# Altium PCB PCB_DACard.PcbDoc (part 1 of 2)
Units mm, origin at the board's own origin, x right, y up, seen from the top; angles counter-clockwise.
Board outline 119.99 x 50 mm, 6 copper layers (Top Layer, Int1 (GND), Int2 (24V), Int3 (5V), Int4 (GND), Bottom Layer), stack 1.472 mm thick; 126 components, 124 nets, 493 pads, 263 vias.
Unrouted connection lines stored in the file: 49.
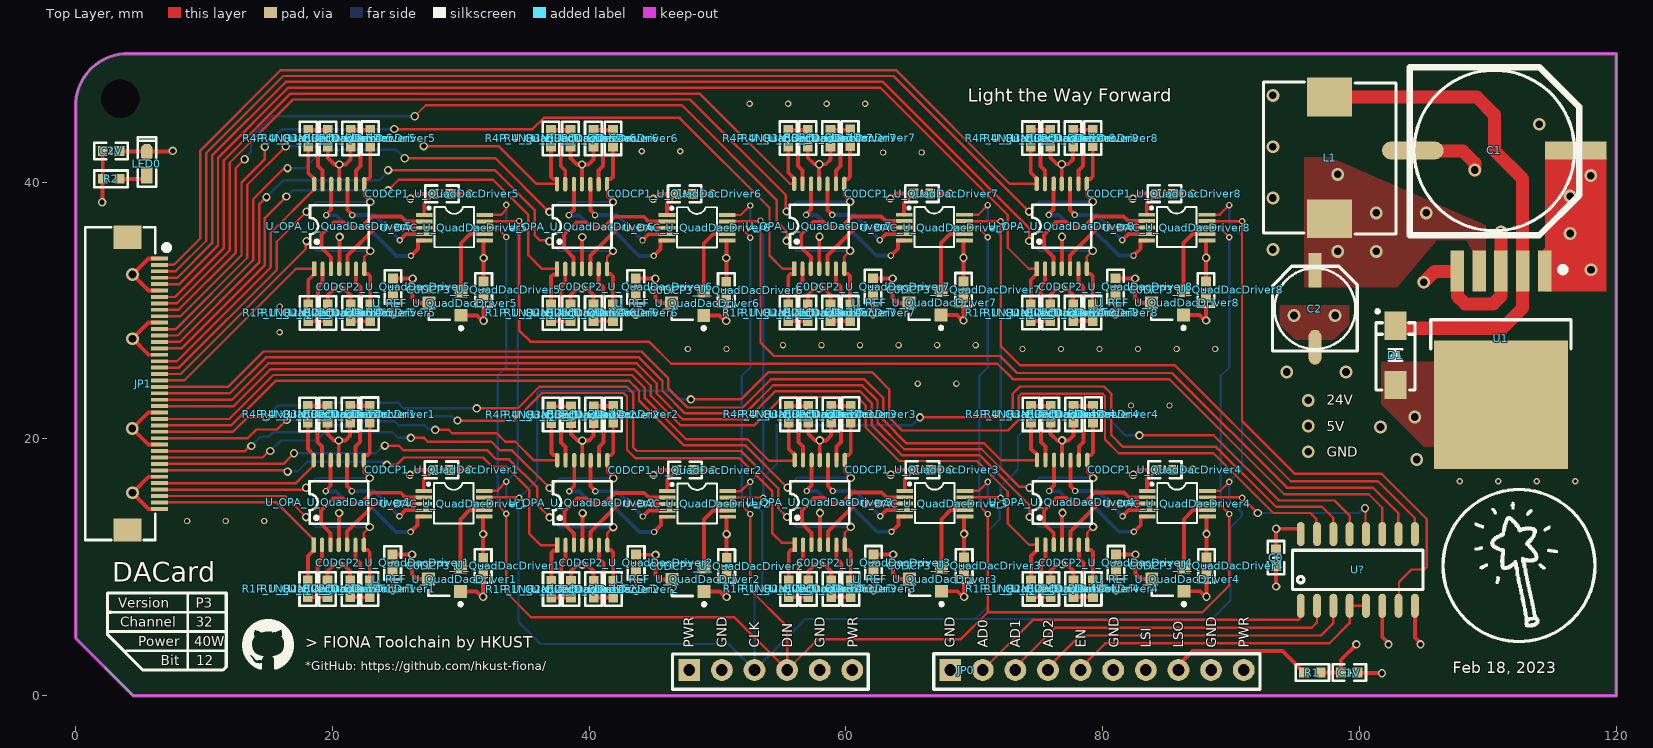
[diagram p0: Top Layer view]
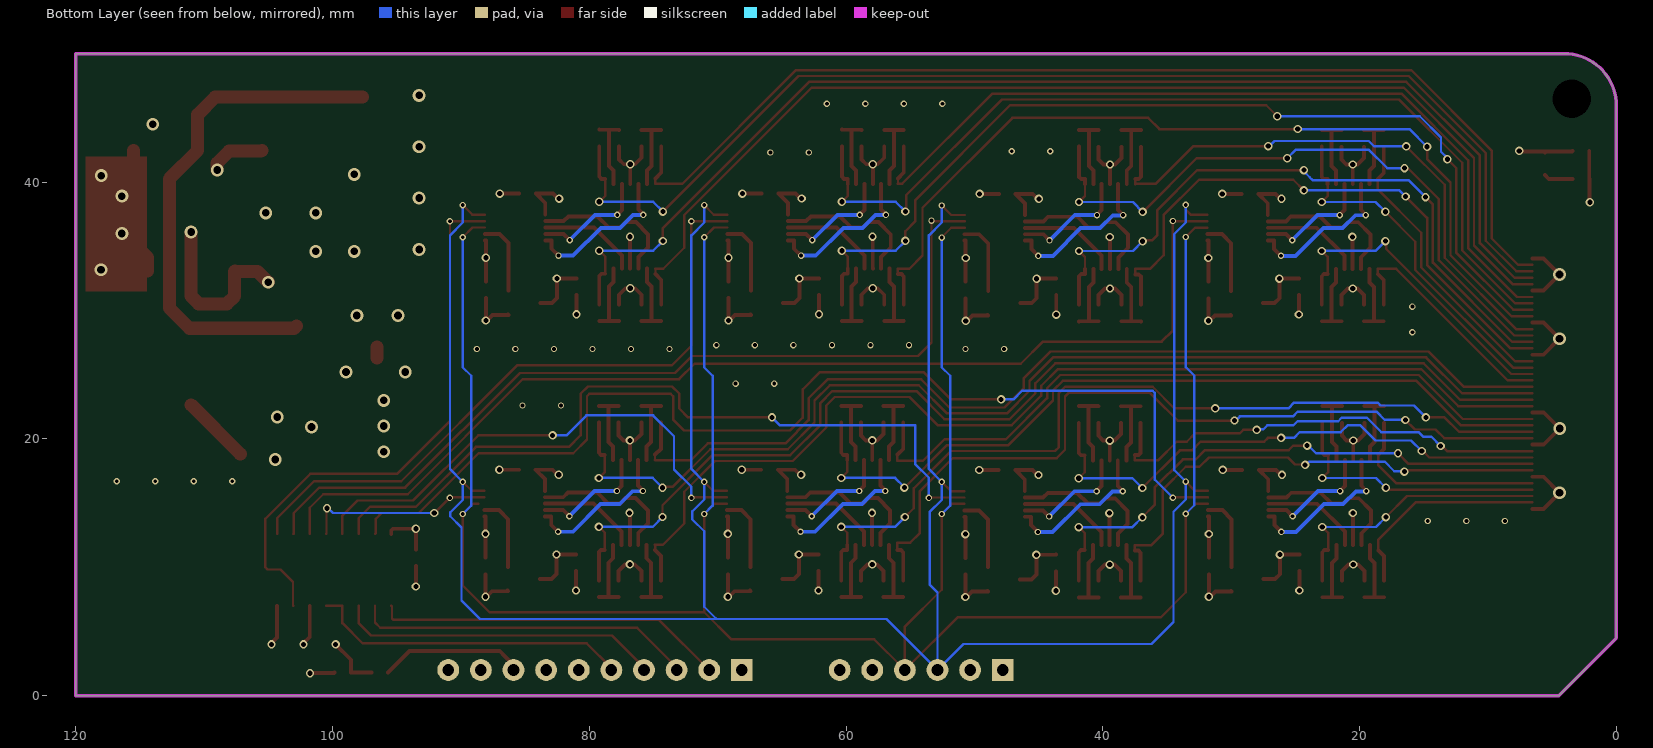
[diagram p1: Bottom Layer view, seen from below]
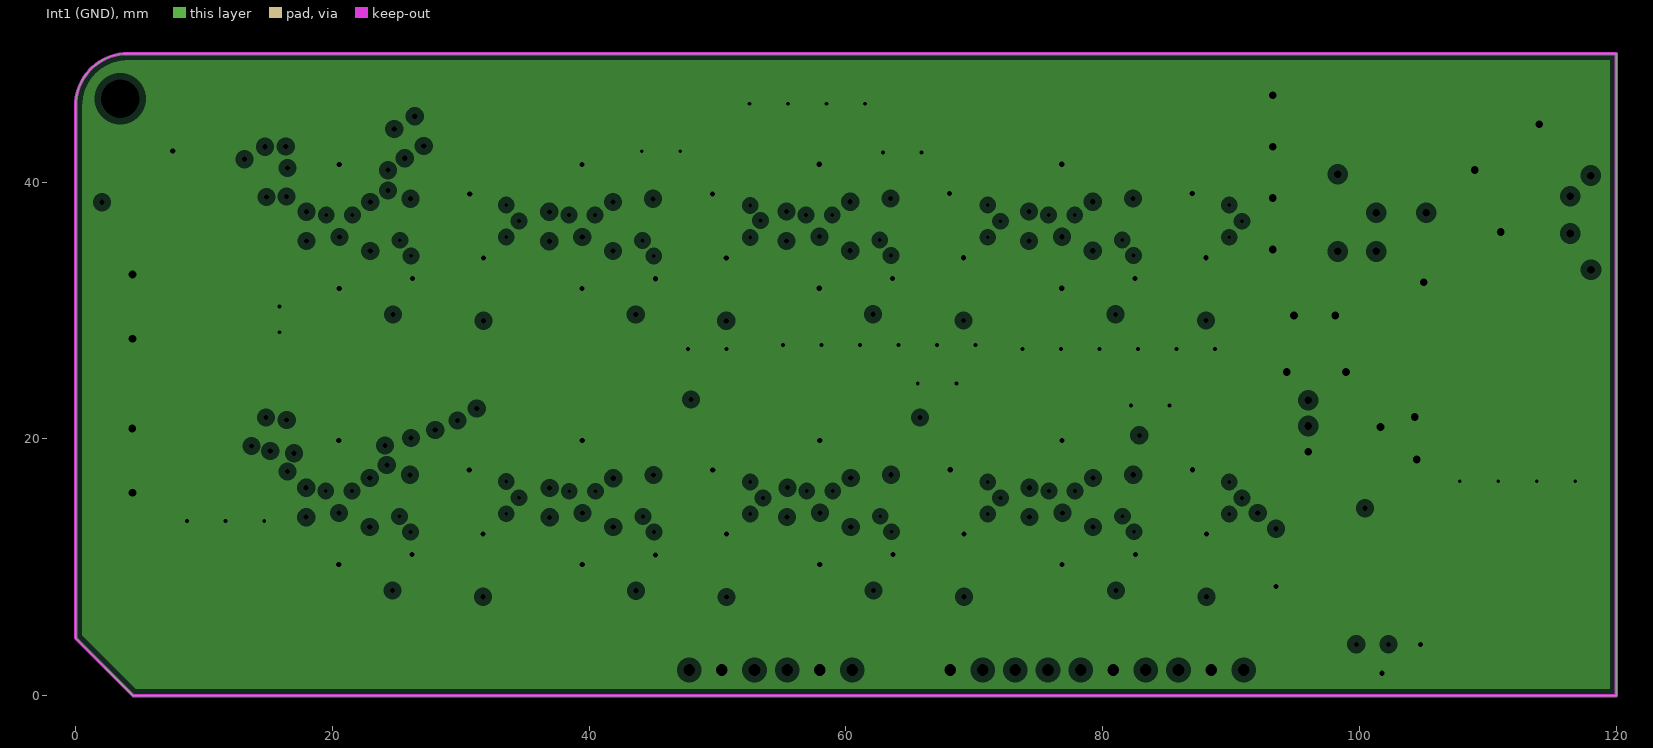
[diagram p2: Int1 (GND), clearances drawn from the general rule]
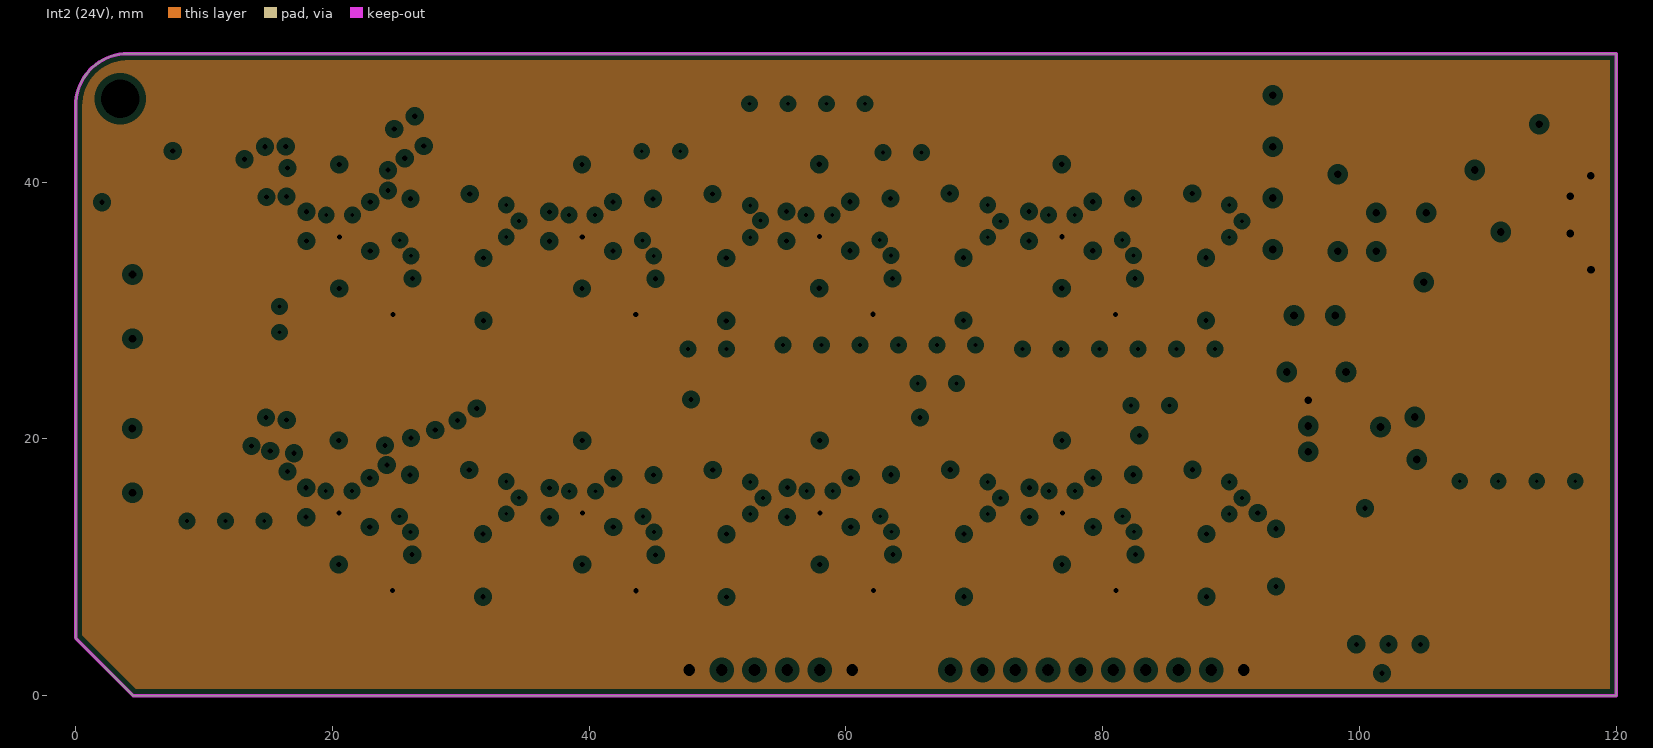
[diagram p3: Int2 (24V), clearances drawn from the general rule]
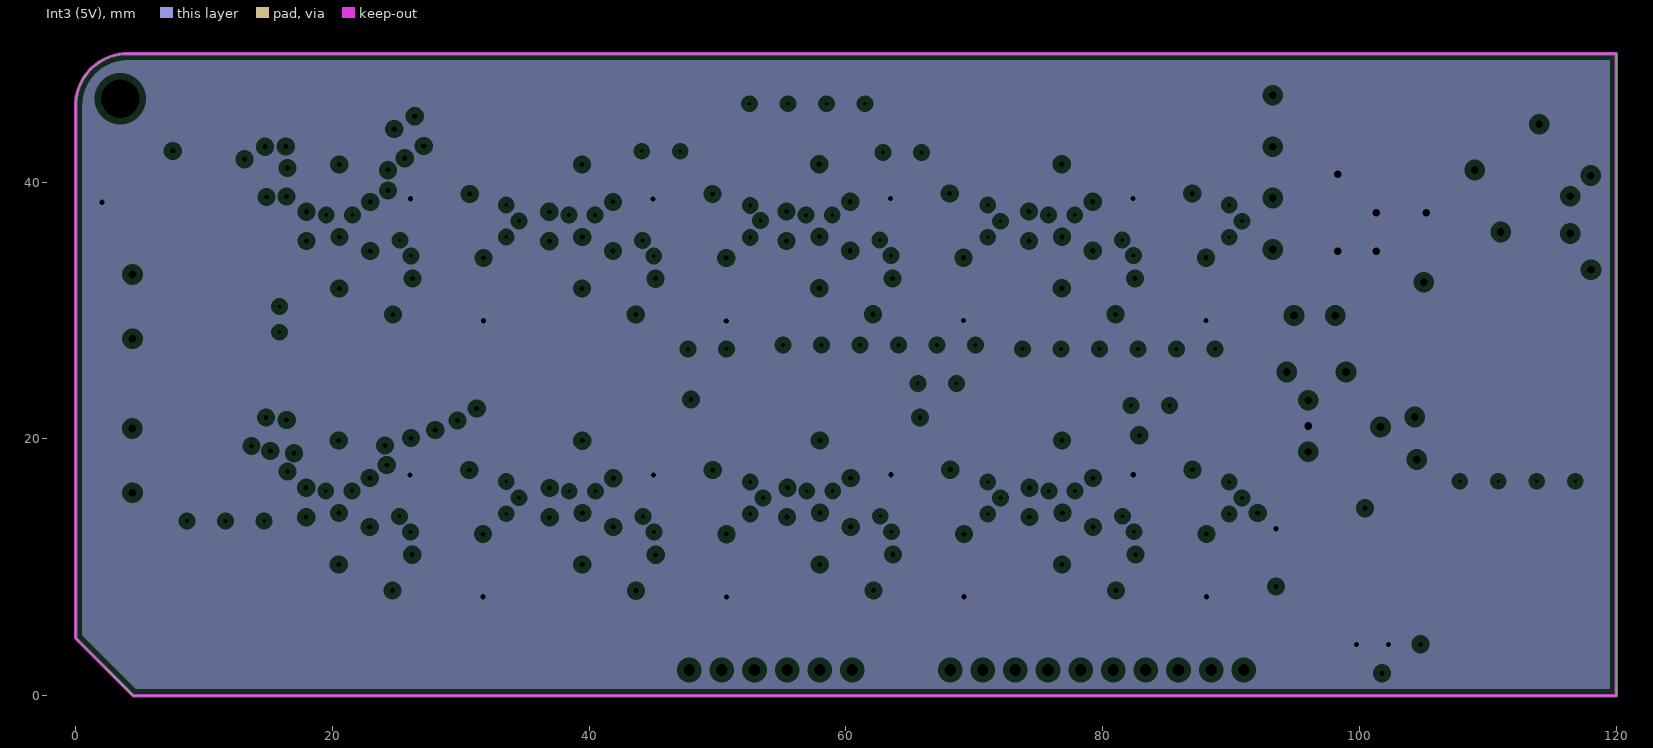
[diagram p4: Int3 (5V), clearances drawn from the general rule]
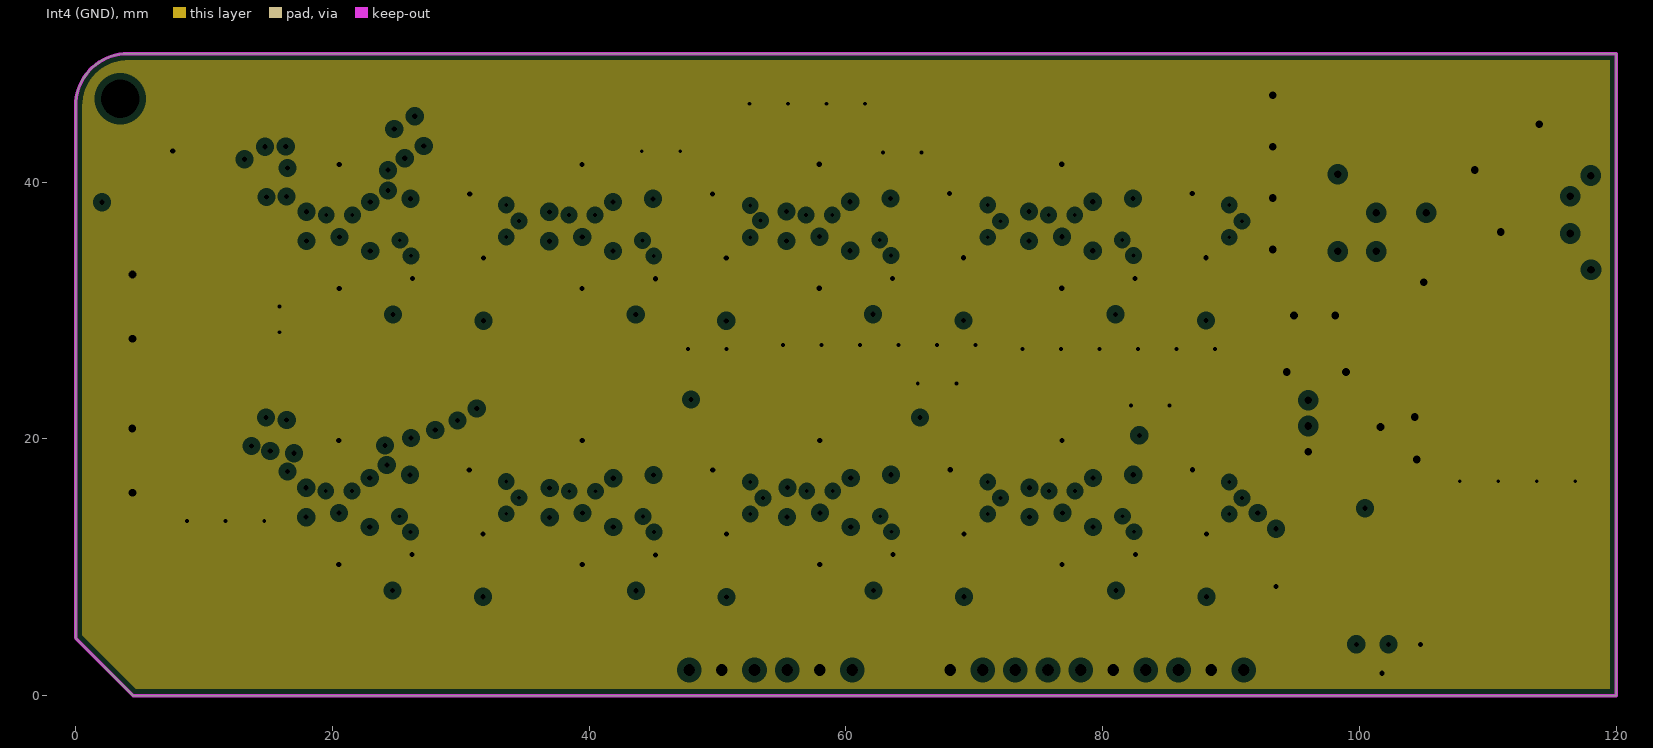
[diagram p5: Int4 (GND), clearances drawn from the general rule]

## Layer stack, top to bottom
Top Solder: solder mask 0.0254, SM-001, Dk 4
Top Layer: signal copper 0.035
Dielectric 1: prepreg 0.0711, PP-006, Dk 4.1
Dielectric 2: prepreg 0.0711, PP-006, Dk 4.1
Int1 (GND): plane copper 0.0152, net GND
Dielectric 3: core 0.4572, Core-035, Dk 4.7
Int2 (24V): plane copper 0.0152, net 24V
Dielectric 4: prepreg 0.0711, PP-006, Dk 4.1
Dielectric 5: prepreg 0.0711, PP-006, Dk 4.1
Int3 (5V): plane copper 0.0152, net 5V
Dielectric 6: core 0.4572, Core-035, Dk 4.7
Int4 (GND): plane copper 0.0152, net GND
Dielectric 7: prepreg 0.0711, PP-006, Dk 4.1
Dielectric 8: prepreg 0.0711, PP-006, Dk 4.1
Bottom Layer: signal copper 0.035
Bottom Solder: solder mask 0.0254, SM-001, Dk 4

## Board outline
4.5,0 0.015,4.485 0.015,45.94 cw(c4.075,45.94) 4.075,50 120,50 120,0

## Design rules (kind name [scope] priority, off if disabled: settings)
Clearance [All] p1: gap=0.152 ignorepadtopadclearanceinfootprint=TRUE
MinimumSolderMaskSliver [All] p1: minsoldermaskwidth=0.051
PlaneClearance [All] p1: clearance=0.508
PlaneConnect [All] p1: planeconnectstyle=Relief reliefexpansion=0.508 reliefentries=4 reliefconductorwidth=0.381 reliefairgap=0.254
PolygonConnect [All] p1: connectstyle=Direct reliefconductorwidth=0.508 reliefentries=4 polygonreliefangle="90 Angle" airgapwidth=0.254
RoomDefinition U_QuadDacDriver6 [InComponentClass('U_QuadDacDriver6')] p1: confinementstyle=ConfineIn formatcopy=TRUE lockcomponents=FALSE outline 36.143,28.028 51.764,28.028 51.764,45.173 36.143,45.173
RoomDefinition U_QuadDacDriver5 [InComponentClass('U_QuadDacDriver5')] p2: confinementstyle=ConfineIn formatcopy=TRUE lockcomponents=FALSE outline 17.243,28.032 32.864,28.032 32.864,45.177 17.243,45.177
RoomDefinition U_QuadDacDriver3 [InComponentClass('U_QuadDacDriver3')] p3: confinementstyle=ConfineIn formatcopy=TRUE lockcomponents=FALSE outline 54.661,6.544 70.282,6.544 70.282,23.689 54.661,23.689
RoomDefinition U_QuadDacDriver1 [InComponentClass('U_QuadDacDriver1')] p4: confinementstyle=ConfineIn formatcopy=FALSE lockcomponents=FALSE outline 17.206,6.536 32.827,6.536 32.827,23.681 17.206,23.681
RoomDefinition U_QuadDacDriver4 [InComponentClass('U_QuadDacDriver4')] p5: confinementstyle=ConfineIn formatcopy=TRUE lockcomponents=FALSE outline 73.536,6.544 89.157,6.544 89.157,23.689 73.536,23.689
RoomDefinition U_QuadDacDriver2 [InComponentClass('U_QuadDacDriver2')] p6: confinementstyle=ConfineIn formatcopy=TRUE lockcomponents=FALSE outline 36.169,6.524 51.79,6.524 51.79,23.669 36.169,23.669
RoomDefinition U_QuadDacDriver7 [InComponentClass('U_QuadDacDriver7')] p7: confinementstyle=ConfineIn formatcopy=TRUE lockcomponents=FALSE outline 54.618,28.049 70.239,28.049 70.239,45.194 54.618,45.194
RoomDefinition U_QuadDacDriver8 [InComponentClass('U_QuadDacDriver8')] p8: confinementstyle=ConfineIn formatcopy=TRUE lockcomponents=FALSE outline 73.506,28.048 89.127,28.048 89.127,45.193 73.506,45.193
RoomDefinition U_PowerSupply [InComponentClass('U_PowerSupply')] p9: confinementstyle=ConfineIn formatcopy=TRUE lockcomponents=FALSE outline 92,17.25 119.75,17.25 119.75,49.5 92,49.5
RoutingVias [All] p1: holewidth=0.5 width=0.8 viastyle="Through Hole" minholewidth=0.2 minwidth=0.4 maxholewidth=0.6 maxwidth=1
SilkToSilkClearance [All] p1: silktosilkclearance=0.152
SolderMaskExpansion [All] p1: expansion=0.102 istentingtop=FALSE
UnRoutedNet UnRoutedNet_1 [Not All] p1:
UnRoutedNet [All] p2:
Width [All] p1: maxlimit=1.016 minlimit=0.152 preferedwidth=0.305
25 further rules are at their usual default settings.

## Classes and differential pairs
channel class QuadDacDriver: U_QuadDacDriver1 U_QuadDacDriver2 U_QuadDacDriver3 U_QuadDacDriver4 U_QuadDacDriver5 U_QuadDacDriver6 U_QuadDacDriver7 U_QuadDacDriver8
net class SYNC[1..8]: SYNC1 SYNC2 SYNC3 SYNC4 SYNC5 SYNC6 SYNC7 SYNC8
component class U_QuadDacDriver8: C0DCP1_U_QuadDacDriver8 C0DCP2_U_QuadDacDriver8 C0DCP3_U_QuadDacDriver8 R1N_U_QuadDacDriver8 R1P_U_QuadDacDriver8 R2N_U_QuadDacDriver8 R2P_U_QuadDacDriver8 R3N_U_QuadDacDriver8 R3P_U_QuadDacDriver8 R4N_U_QuadDacDriver8 R4P_U_QuadDacDriver8 U_DAC_U_QuadDacDriver8 U_OPA_U_QuadDacDriver8 U_REF_U_QuadDacDriver8
component class U_QuadDacDriver7: C0DCP1_U_QuadDacDriver7 C0DCP2_U_QuadDacDriver7 C0DCP3_U_QuadDacDriver7 R1N_U_QuadDacDriver7 R1P_U_QuadDacDriver7 R2N_U_QuadDacDriver7 R2P_U_QuadDacDriver7 R3N_U_QuadDacDriver7 R3P_U_QuadDacDriver7 R4N_U_QuadDacDriver7 R4P_U_QuadDacDriver7 U_DAC_U_QuadDacDriver7 U_OPA_U_QuadDacDriver7 U_REF_U_QuadDacDriver7
component class U_QuadDacDriver6: C0DCP1_U_QuadDacDriver6 C0DCP2_U_QuadDacDriver6 C0DCP3_U_QuadDacDriver6 R1N_U_QuadDacDriver6 R1P_U_QuadDacDriver6 R2N_U_QuadDacDriver6 R2P_U_QuadDacDriver6 R3N_U_QuadDacDriver6 R3P_U_QuadDacDriver6 R4N_U_QuadDacDriver6 R4P_U_QuadDacDriver6 U_DAC_U_QuadDacDriver6 U_OPA_U_QuadDacDriver6 U_REF_U_QuadDacDriver6
component class U_QuadDacDriver5: C0DCP1_U_QuadDacDriver5 C0DCP2_U_QuadDacDriver5 C0DCP3_U_QuadDacDriver5 R1N_U_QuadDacDriver5 R1P_U_QuadDacDriver5 R2N_U_QuadDacDriver5 R2P_U_QuadDacDriver5 R3N_U_QuadDacDriver5 R3P_U_QuadDacDriver5 R4N_U_QuadDacDriver5 R4P_U_QuadDacDriver5 U_DAC_U_QuadDacDriver5 U_OPA_U_QuadDacDriver5 U_REF_U_QuadDacDriver5
component class U_QuadDacDriver4: C0DCP1_U_QuadDacDriver4 C0DCP2_U_QuadDacDriver4 C0DCP3_U_QuadDacDriver4 R1N_U_QuadDacDriver4 R1P_U_QuadDacDriver4 R2N_U_QuadDacDriver4 R2P_U_QuadDacDriver4 R3N_U_QuadDacDriver4 R3P_U_QuadDacDriver4 R4N_U_QuadDacDriver4 R4P_U_QuadDacDriver4 U_DAC_U_QuadDacDriver4 U_OPA_U_QuadDacDriver4 U_REF_U_QuadDacDriver4
component class U_QuadDacDriver3: C0DCP1_U_QuadDacDriver3 C0DCP2_U_QuadDacDriver3 C0DCP3_U_QuadDacDriver3 R1N_U_QuadDacDriver3 R1P_U_QuadDacDriver3 R2N_U_QuadDacDriver3 R2P_U_QuadDacDriver3 R3N_U_QuadDacDriver3 R3P_U_QuadDacDriver3 R4N_U_QuadDacDriver3 R4P_U_QuadDacDriver3 U_DAC_U_QuadDacDriver3 U_OPA_U_QuadDacDriver3 U_REF_U_QuadDacDriver3
component class U_QuadDacDriver2: C0DCP1_U_QuadDacDriver2 C0DCP2_U_QuadDacDriver2 C0DCP3_U_QuadDacDriver2 R1N_U_QuadDacDriver2 R1P_U_QuadDacDriver2 R2N_U_QuadDacDriver2 R2P_U_QuadDacDriver2 R3N_U_QuadDacDriver2 R3P_U_QuadDacDriver2 R4N_U_QuadDacDriver2 R4P_U_QuadDacDriver2 U_DAC_U_QuadDacDriver2 U_OPA_U_QuadDacDriver2 U_REF_U_QuadDacDriver2
component class U_QuadDacDriver1: C0DCP1_U_QuadDacDriver1 C0DCP2_U_QuadDacDriver1 C0DCP3_U_QuadDacDriver1 R1N_U_QuadDacDriver1 R1P_U_QuadDacDriver1 R2N_U_QuadDacDriver1 R2P_U_QuadDacDriver1 R3N_U_QuadDacDriver1 R3P_U_QuadDacDriver1 R4N_U_QuadDacDriver1 R4P_U_QuadDacDriver1 U_DAC_U_QuadDacDriver1 U_OPA_U_QuadDacDriver1 U_REF_U_QuadDacDriver1
component class U_PowerSupply: C1 C2 D1 L1 U1
component class PlugBoard: C0 C1V C2V JP0 JP1 LED0 R1 R2 U?

## Components (designator, comment, footprint, x,y, rotation, side; value= is the part's Value field where it differs from the comment)
C0 "22uF/10V" "C 0603_L" 93.5,10.75 r270 top
C0DCP1_U_QuadDacDriver1 "104" "C 0603_L" 28.509,17.585 r0 top (schematic designator C0DCP1)
C0DCP1_U_QuadDacDriver2 "104" "C 0603_L" 47.472,17.573 r0 top (schematic designator C0DCP1)
C0DCP1_U_QuadDacDriver3 "104" "C 0603_L" 65.964,17.593 r0 top (schematic designator C0DCP1)
C0DCP1_U_QuadDacDriver4 "104" "C 0603_L" 84.839,17.593 r0 top (schematic designator C0DCP1)
C0DCP1_U_QuadDacDriver5 "104" "C 0603_L" 28.546,39.081 r0 top (schematic designator C0DCP1)
C0DCP1_U_QuadDacDriver6 "104" "C 0603_L" 47.446,39.077 r0 top (schematic designator C0DCP1)
C0DCP1_U_QuadDacDriver7 "104" "C 0603_L" 65.921,39.098 r0 top (schematic designator C0DCP1)
C0DCP1_U_QuadDacDriver8 "104" "C 0603_L" 84.809,39.097 r0 top (schematic designator C0DCP1)
C0DCP2_U_QuadDacDriver1 "104" "C 0603_L" 24.699,10.346 r90 top (schematic designator C0DCP2)
C0DCP2_U_QuadDacDriver2 "104" "C 0603_L" 43.662,10.334 r90 top (schematic designator C0DCP2)
C0DCP2_U_QuadDacDriver3 "104" "C 0603_L" 62.154,10.354 r90 top (schematic designator C0DCP2)
C0DCP2_U_QuadDacDriver4 "104" "C 0603_L" 81.029,10.354 r90 top (schematic designator C0DCP2)
C0DCP2_U_QuadDacDriver5 "104" "C 0603_L" 24.736,31.842 r90 top (schematic designator C0DCP2)
C0DCP2_U_QuadDacDriver6 "104" "C 0603_L" 43.636,31.838 r90 top (schematic designator C0DCP2)
C0DCP2_U_QuadDacDriver7 "104" "C 0603_L" 62.111,31.859 r90 top (schematic designator C0DCP2)
C0DCP2_U_QuadDacDriver8 "104" "C 0603_L" 80.999,31.858 r90 top (schematic designator C0DCP2)
C0DCP3_U_QuadDacDriver1 "104" "C 0603_L" 31.75,10.1 r270 top (schematic designator C0DCP3)
C0DCP3_U_QuadDacDriver2 "104" "C 0603_L" 50.713,10.088 r270 top (schematic designator C0DCP3)
C0DCP3_U_QuadDacDriver3 "104" "C 0603_L" 69.205,10.108 r270 top (schematic designator C0DCP3)
C0DCP3_U_QuadDacDriver4 "104" "C 0603_L" 88.08,10.108 r270 top (schematic designator C0DCP3)
C0DCP3_U_QuadDacDriver5 "104" "C 0603_L" 31.787,31.596 r270 top (schematic designator C0DCP3)
C0DCP3_U_QuadDacDriver6 "104" "C 0603_L" 50.687,31.592 r270 top (schematic designator C0DCP3)
C0DCP3_U_QuadDacDriver7 "104" "C 0603_L" 69.162,31.613 r270 top (schematic designator C0DCP3)
C0DCP3_U_QuadDacDriver8 "104" "C 0603_L" 88.05,31.612 r270 top (schematic designator C0DCP3)
C1 "680uF/35V" "CM G(12.5*13.5)" 110.498,42.458 r0 top
C1V "104" "C 0603_L" 99.2,1.8 r0 top
C2 "220uF/16V" "CM D(6.3*7.7)" 96.528,30.139 r90 top
C2V "104" "C 0603_L" 2.775,42.425 r0 top
D1 "1N5824" SMA 102.8,26.5 r90 top
JP0 "BoardConnector" HDR2.54-DIY16-PW 54.15,2 r0 top
JP1 "FPC-0.5mm-40P" "FPC0.5 2H-WS-40P" 4.05,24.3 r270 top
L1 "InductanceSMD" SMD-11.5x10.5 97.671,41.823 r270 top
LED0 "Blue" "LED 0603B" 5.575,41.425 r90 top
R1 "510Ω" "R 0603_L" 96.325,1.8 r180 top
R1N_U_QuadDacDriver1 "10K" "R 0603_L" 19.619,8.314 r270 top (schematic designator R1N)
R1N_U_QuadDacDriver2 "10K" "R 0603_L" 38.582,8.302 r270 top (schematic designator R1N)
R1N_U_QuadDacDriver3 "10K" "R 0603_L" 57.074,8.322 r270 top (schematic designator R1N)
R1N_U_QuadDacDriver4 "10K" "R 0603_L" 75.949,8.322 r270 top (schematic designator R1N)
R1N_U_QuadDacDriver5 "10K" "R 0603_L" 19.656,29.81 r270 top (schematic designator R1N)
R1N_U_QuadDacDriver6 "10K" "R 0603_L" 38.556,29.806 r270 top (schematic designator R1N)
R1N_U_QuadDacDriver7 "10K" "R 0603_L" 57.031,29.827 r270 top (schematic designator R1N)
R1N_U_QuadDacDriver8 "10K" "R 0603_L" 75.919,29.826 r270 top (schematic designator R1N)
R1P_U_QuadDacDriver1 "82K" "R 0603_L" 18.095,8.314 r90 top (schematic designator R1P)
R1P_U_QuadDacDriver2 "82K" "R 0603_L" 37.058,8.302 r90 top (schematic designator R1P)
R1P_U_QuadDacDriver3 "82K" "R 0603_L" 55.55,8.322 r90 top (schematic designator R1P)
R1P_U_QuadDacDriver4 "82K" "R 0603_L" 74.425,8.322 r90 top (schematic designator R1P)
R1P_U_QuadDacDriver5 "82K" "R 0603_L" 18.132,29.81 r90 top (schematic designator R1P)
R1P_U_QuadDacDriver6 "82K" "R 0603_L" 37.032,29.806 r90 top (schematic designator R1P)
R1P_U_QuadDacDriver7 "82K" "R 0603_L" 55.507,29.827 r90 top (schematic designator R1P)
R1P_U_QuadDacDriver8 "82K" "R 0603_L" 74.395,29.826 r90 top (schematic designator R1P)
R2 "1kΩ" "R 0603_L" 2.775,40.25 r0 top
R2N_U_QuadDacDriver1 "10K" "R 0603_L" 21.397,8.314 r270 top (schematic designator R2N)
R2N_U_QuadDacDriver2 "10K" "R 0603_L" 40.36,8.302 r270 top (schematic designator R2N)
R2N_U_QuadDacDriver3 "10K" "R 0603_L" 58.852,8.322 r270 top (schematic designator R2N)
R2N_U_QuadDacDriver4 "10K" "R 0603_L" 77.727,8.322 r270 top (schematic designator R2N)
R2N_U_QuadDacDriver5 "10K" "R 0603_L" 21.434,29.81 r270 top (schematic designator R2N)
R2N_U_QuadDacDriver6 "10K" "R 0603_L" 40.334,29.806 r270 top (schematic designator R2N)
R2N_U_QuadDacDriver7 "10K" "R 0603_L" 58.809,29.827 r270 top (schematic designator R2N)
R2N_U_QuadDacDriver8 "10K" "R 0603_L" 77.697,29.826 r270 top (schematic designator R2N)
R2P_U_QuadDacDriver1 "82K" "R 0603_L" 22.921,8.314 r90 top (schematic designator R2P)
R2P_U_QuadDacDriver2 "82K" "R 0603_L" 41.884,8.302 r90 top (schematic designator R2P)
R2P_U_QuadDacDriver3 "82K" "R 0603_L" 60.376,8.322 r90 top (schematic designator R2P)
R2P_U_QuadDacDriver4 "82K" "R 0603_L" 79.251,8.322 r90 top (schematic designator R2P)
R2P_U_QuadDacDriver5 "82K" "R 0603_L" 22.958,29.81 r90 top (schematic designator R2P)
R2P_U_QuadDacDriver6 "82K" "R 0603_L" 41.858,29.806 r90 top (schematic designator R2P)
R2P_U_QuadDacDriver7 "82K" "R 0603_L" 60.333,29.827 r90 top (schematic designator R2P)
R2P_U_QuadDacDriver8 "82K" "R 0603_L" 79.221,29.826 r90 top (schematic designator R2P)
R3N_U_QuadDacDriver1 "10K" "R 0603_L" 21.397,21.903 r270 top (schematic designator R3N)
R3N_U_QuadDacDriver2 "10K" "R 0603_L" 40.36,21.891 r270 top (schematic designator R3N)
R3N_U_QuadDacDriver3 "10K" "R 0603_L" 58.852,21.911 r270 top (schematic designator R3N)
R3N_U_QuadDacDriver4 "10K" "R 0603_L" 77.727,21.911 r270 top (schematic designator R3N)
R3N_U_QuadDacDriver5 "10K" "R 0603_L" 21.434,43.399 r270 top (schematic designator R3N)
R3N_U_QuadDacDriver6 "10K" "R 0603_L" 40.334,43.395 r270 top (schematic designator R3N)
R3N_U_QuadDacDriver7 "10K" "R 0603_L" 58.809,43.416 r270 top (schematic designator R3N)
R3N_U_QuadDacDriver8 "10K" "R 0603_L" 77.697,43.415 r270 top (schematic designator R3N)
R3P_U_QuadDacDriver1 "82K" "R 0603_L" 22.921,21.918 r90 top (schematic designator R3P)
R3P_U_QuadDacDriver2 "82K" "R 0603_L" 41.884,21.906 r90 top (schematic designator R3P)
R3P_U_QuadDacDriver3 "82K" "R 0603_L" 60.376,21.926 r90 top (schematic designator R3P)
R3P_U_QuadDacDriver4 "82K" "R 0603_L" 79.251,21.926 r90 top (schematic designator R3P)
R3P_U_QuadDacDriver5 "82K" "R 0603_L" 22.958,43.414 r90 top (schematic designator R3P)
R3P_U_QuadDacDriver6 "82K" "R 0603_L" 41.858,43.41 r90 top (schematic designator R3P)
R3P_U_QuadDacDriver7 "82K" "R 0603_L" 60.333,43.431 r90 top (schematic designator R3P)
R3P_U_QuadDacDriver8 "82K" "R 0603_L" 79.221,43.43 r90 top (schematic designator R3P)
R4N_U_QuadDacDriver1 "10K" "R 0603_L" 19.619,21.903 r270 top (schematic designator R4N)
R4N_U_QuadDacDriver2 "10K" "R 0603_L" 38.582,21.891 r270 top (schematic designator R4N)
R4N_U_QuadDacDriver3 "10K" "R 0603_L" 57.074,21.911 r270 top (schematic designator R4N)
R4N_U_QuadDacDriver4 "10K" "R 0603_L" 75.949,21.911 r270 top (schematic designator R4N)
R4N_U_QuadDacDriver5 "10K" "R 0603_L" 19.656,43.399 r270 top (schematic designator R4N)
R4N_U_QuadDacDriver6 "10K" "R 0603_L" 38.556,43.395 r270 top (schematic designator R4N)
R4N_U_QuadDacDriver7 "10K" "R 0603_L" 57.031,43.416 r270 top (schematic designator R4N)
R4N_U_QuadDacDriver8 "10K" "R 0603_L" 75.919,43.415 r270 top (schematic designator R4N)
R4P_U_QuadDacDriver1 "82K" "R 0603_L" 18.095,21.903 r90 top (schematic designator R4P)
R4P_U_QuadDacDriver2 "82K" "R 0603_L" 37.058,21.891 r90 top (schematic designator R4P)
R4P_U_QuadDacDriver3 "82K" "R 0603_L" 55.55,21.911 r90 top (schematic designator R4P)
R4P_U_QuadDacDriver4 "82K" "R 0603_L" 74.425,21.911 r90 top (schematic designator R4P)
R4P_U_QuadDacDriver5 "82K" "R 0603_L" 18.132,43.399 r90 top (schematic designator R4P)
R4P_U_QuadDacDriver6 "82K" "R 0603_L" 37.032,43.395 r90 top (schematic designator R4P)
R4P_U_QuadDacDriver7 "82K" "R 0603_L" 55.507,43.416 r90 top (schematic designator R4P)
R4P_U_QuadDacDriver8 "82K" "R 0603_L" 74.395,43.415 r90 top (schematic designator R4P)
U1 "LM2596S-5.0" TO263-5A 111.006,33.06 r180 top
U? "MM74HC138M" SO16NB 95.42,7 r0 top
U_DAC_U_QuadDacDriver1 "DAC124S085CISD" VSSOP-10 29.398,14.918 r270 top (schematic designator U_DAC)
U_DAC_U_QuadDacDriver2 "DAC124S085CISD" VSSOP-10 48.361,14.906 r270 top (schematic designator U_DAC)
U_DAC_U_QuadDacDriver3 "DAC124S085CISD" VSSOP-10 66.853,14.926 r270 top (schematic designator U_DAC)
U_DAC_U_QuadDacDriver4 "DAC124S085CISD" VSSOP-10 85.728,14.926 r270 top (schematic designator U_DAC)
U_DAC_U_QuadDacDriver5 "DAC124S085CISD" VSSOP-10 29.435,36.414 r270 top (schematic designator U_DAC)
U_DAC_U_QuadDacDriver6 "DAC124S085CISD" VSSOP-10 48.335,36.41 r270 top (schematic designator U_DAC)
U_DAC_U_QuadDacDriver7 "DAC124S085CISD" VSSOP-10 66.81,36.431 r270 top (schematic designator U_DAC)
U_DAC_U_QuadDacDriver8 "DAC124S085CISD" VSSOP-10 85.698,36.43 r270 top (schematic designator U_DAC)